# Altium PCB PCB_LU_V2.4PcbDoc.PcbDoc (part 3 of 3)
Units mm, origin at the board's own origin, x right, y up, seen from the top; angles counter-clockwise.
Board outline 123.01 x 87.99 mm, 2 copper layers (Top Layer, Bottom Layer); 238 components, 147 nets, 677 pads, 1111 vias.
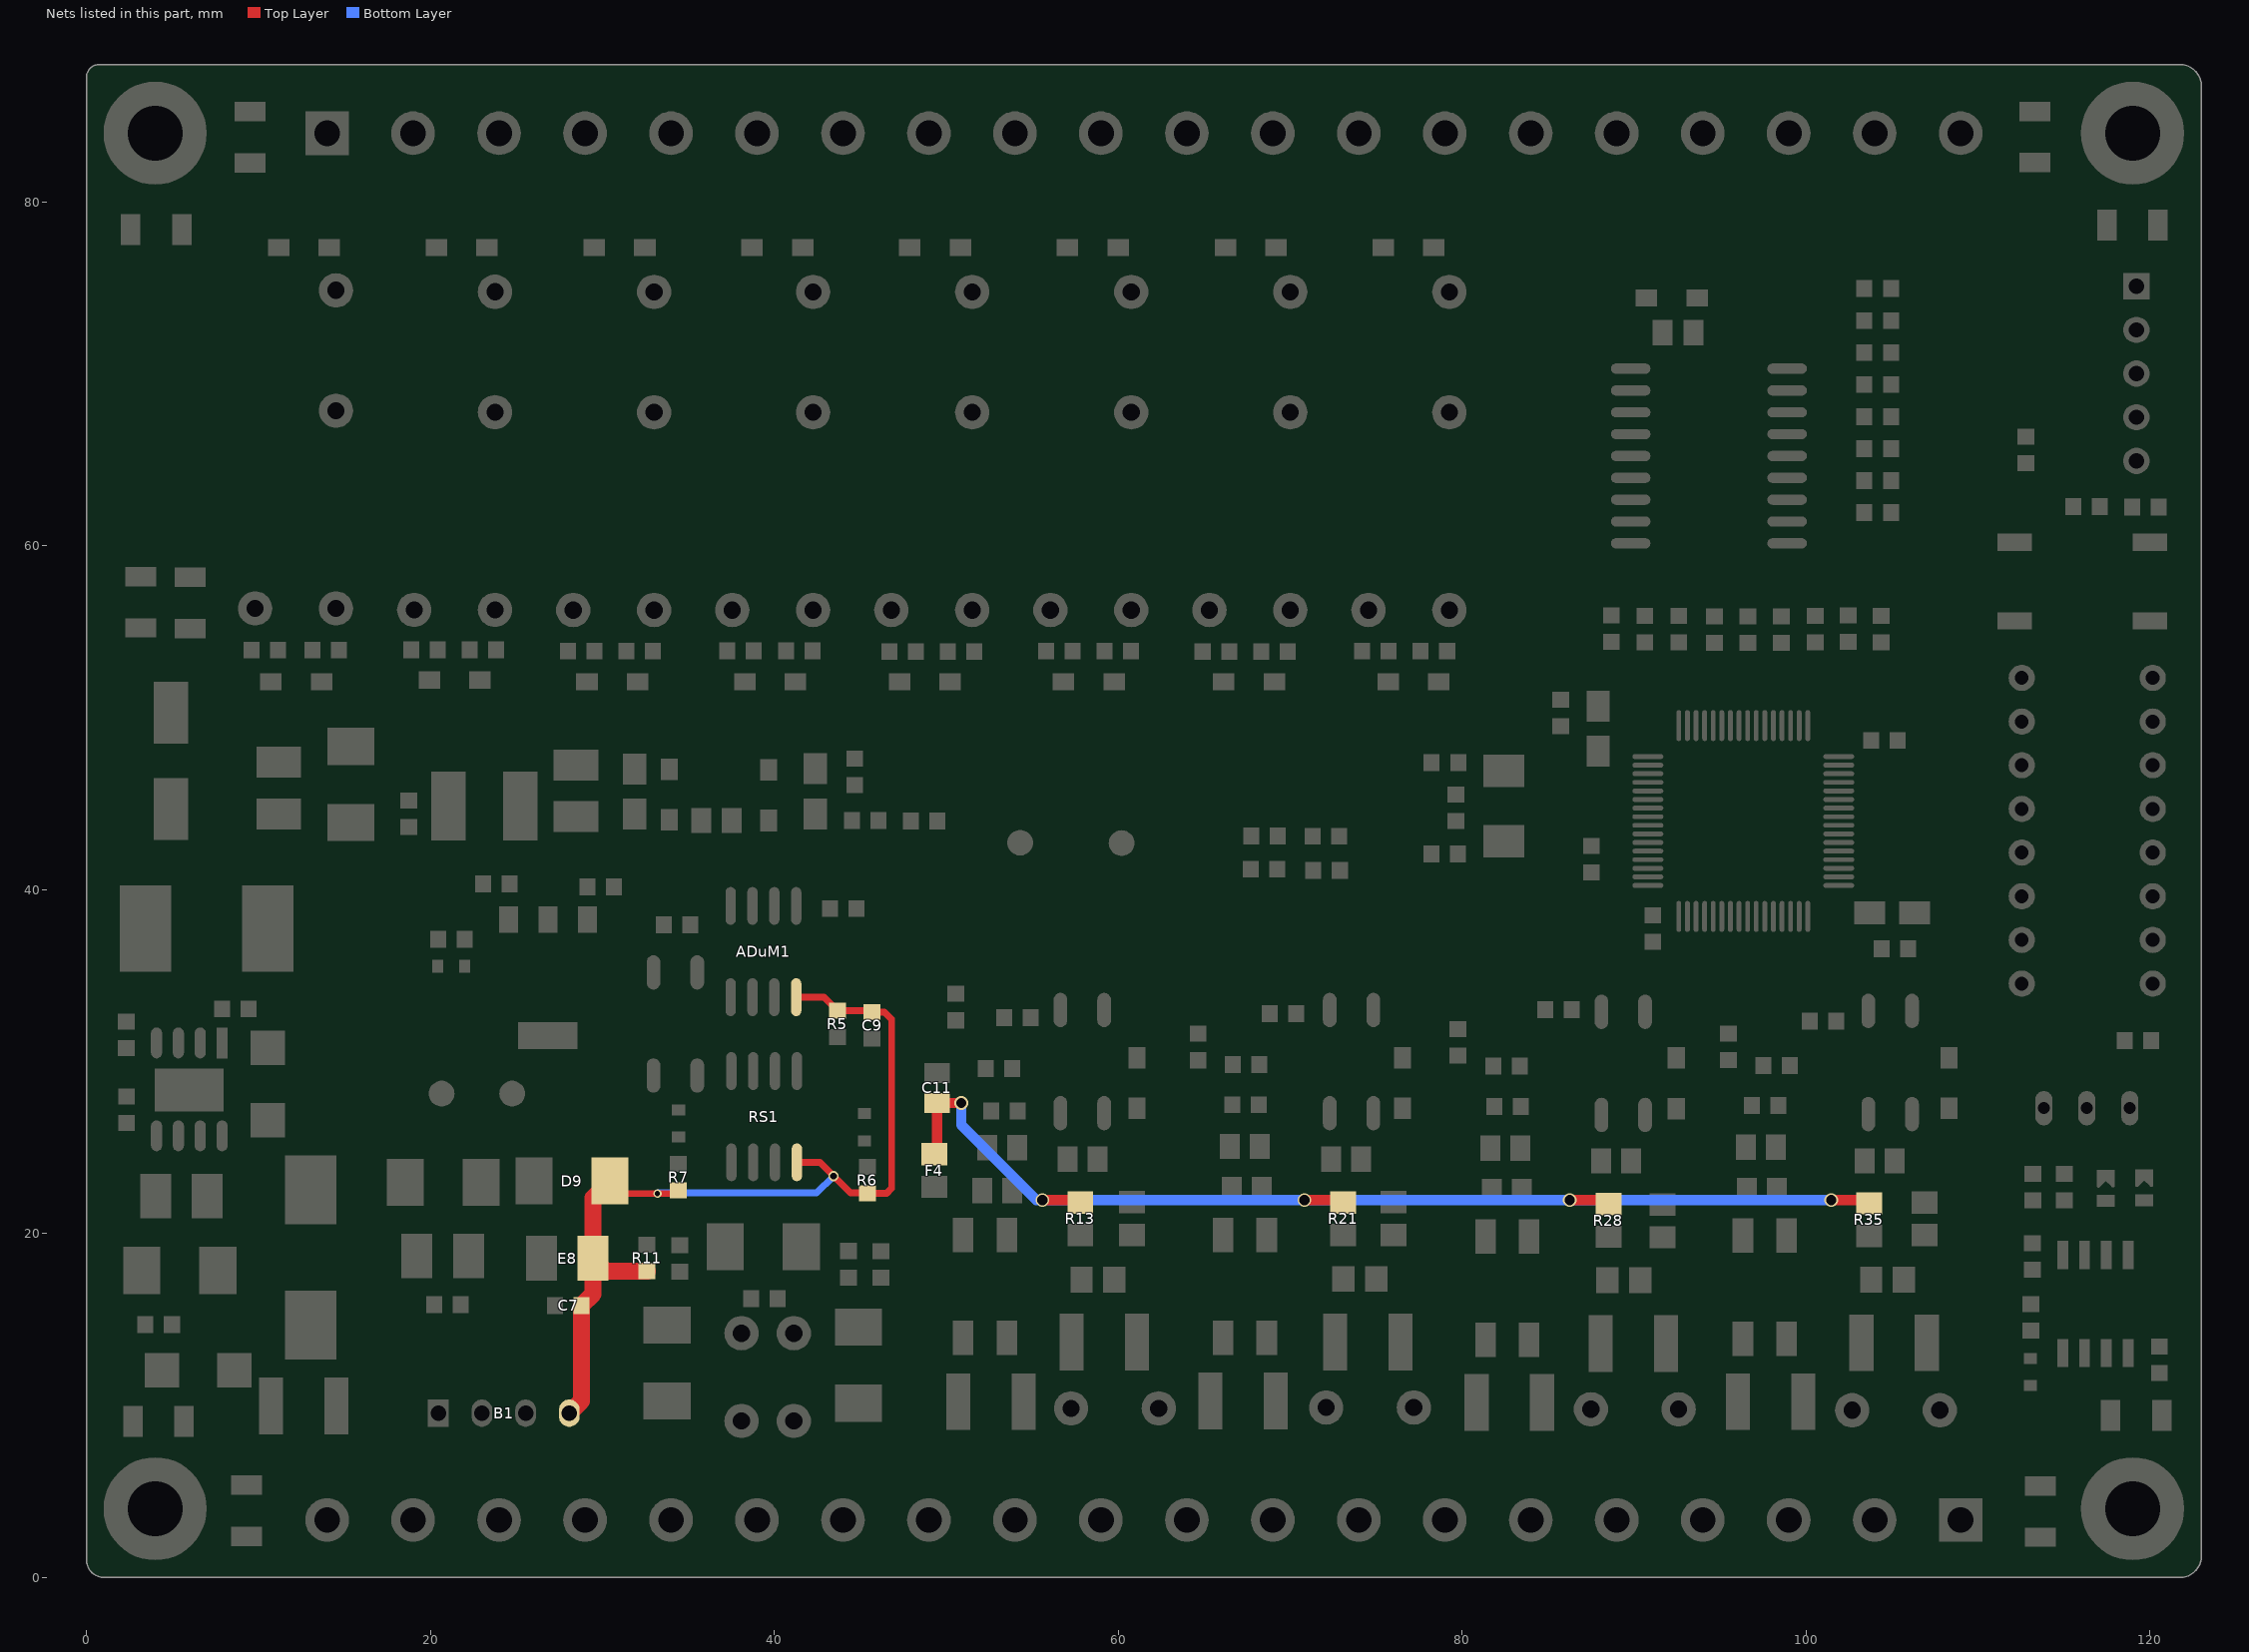
[diagram p3: the nets of this part, all layers, seen from the top]

## Via types
v1: diameter 0.6, hole 0.4, Top Layer to Bottom Layer, 594 vias
v2: diameter 0.5, hole 0.3, Top Layer to Bottom Layer, 446 vias
v3: diameter 0.8, hole 0.6, Top Layer to Bottom Layer, 68 vias
v4: diameter 1, hole 0.7, Top Layer to Bottom Layer, 3 vias

## Nets (pads, with @x,y where several pads share a name; then routed paths per layer and width w, separated by ;. In a path a pad name is that pad's centre, name@x,y a point inside that pad or via, vN(x,y) a via of type N, cw(c..) or ccw(c..) an arc to the next point about the centre after c; other vN are vias at no path point) (continued)
VCCISO: ADuM1.8 B1.4 C7.1 C9.2 D9.2 E8.1 R5.1 R6.2 R7.1 R11.2 RS1.8 | length 55.7
  Top Layer w0.4: D9.2@30.059,22.677 30.404,22.332 v2(33.21,22.332) 34.236,22.332 R7.1@34.432,22.528 ; ADuM1.8@41.279,33.752 42.896,33.752 R5.1@43.682,32.966 45.612,32.966 C9.2@45.696,32.882 46.422,32.882 46.83,32.474 46.83,22.638 46.542,22.35 R6.2@45.414,22.35 ; RS1.8@41.319,24.148 42.666,24.148 44.44,22.374 R6.2@45.67,22.374
  Top Layer w1: B1.4@28.082,9.56 28.786,10.264 C7.1@28.786,15.814 29.466,16.494 E8.1@29.466,18.566 ; D9.2@30.45,23.068 30.059,22.677 29.466,22.084 E8.1@29.466,18.566 ; R11.2@32.605,17.817 30.215,17.817 E8.1@29.466,18.566
  Bottom Layer w0.4: v2(33.21,22.332) 33.244,22.366 42.468,22.366 v1(43.446,23.344)
VIO: C11.2 F4.2 R13.2 R21.1 R28.1 R35.1 | length 66.4
  Top Layer w0.6: F4.2@49.39,24.738 49.346,24.782 49.468,24.904 C11.2@49.468,27.599 C11.2@49.468,27.599 v3(50.878,27.598) ; v3(55.592,21.954) 57.67,21.954 R13.2@57.808,21.816 ; v3(70.838,21.954) R21.1@72.958,21.954 ; v3(86.266,21.954) R28.1@88.287,21.954 ; v3(101.476,21.954) R35.1@103.483,21.954
  Bottom Layer w0.6: v3(50.878,27.598) 50.878,26.331 55.255,21.954 v3(55.592,21.954) v3(70.838,21.954) v3(86.266,21.954) v3(101.476,21.954)
pads on no net: P1.11 P1.12 P1.13 P1.14 P2.17 P2.18 P2.19 P2.20 U1.2 U1.3 U1.5 U4.2 U4.3 U4.4 U4.14 U4.26 U4.41 U4.50 U4.51 U4.52 U4.53 U4.54 U4.55 U4.56 U4.57 U5.5 U5.6 U5.7

## Polygon pours and split planes (outlines as drawn)
GNDIN on Bottom Layer "Top Layer-No Net 1" (solid, remove dead copper, pour order 10): 7.82,51.496 7.152,52.164 7.152,52.302 7.152,79.41 6.594,79.968 6.574,79.948 0.008,79.948 0.008,51.35 0.046,51.312 0.144,51.41 7.864,51.41
GNDIN on Bottom Layer "Top Layer-No Net 1" (solid, remove dead copper, pour order 4): -0.016,50.012 -0.016,51.752 0.682,52.45 0.806,52.326 5.982,52.326 7.05,52.326 9.374,50.002 79.716,50.002 82.685,52.971 83.282,54.206 84.002,55.696 85.496,57.19 87.086,58.946 93.04,58.946 93.04,74.1 93.04,78.318 96.756,78.318 96.914,78.476 96.978,78.54 97.01,78.54 96.978,78.54 97.01,78.54 97.01,87.658 114.718,87.658 114.968,87.408 114.968,80.912 114.968,80.692 115.654,80.006 122.464,80.006 122.528,80.006 123.026,79.508 123.182,79.352 123.182,30.944 123.182,30.85 123.182,29.244 122.242,28.8 105.98,28.8 48.25,28.8 48.184,32.708 48.184,32.952 48.184,36.074 48.184,36.21 47.816,36.578 46.032,36.578 37.592,36.578 36.182,35.168 36.138,35.124 36.138,33.68 31.572,33.68 30.976,33.084 30.976,28.282 30.976,26.338 30.232,25.594 30.206,25.568 24.844,25.568 24.746,25.568 24.358,25.18 24.334,25.156 24.334,23.164 24.334,6.896 25.15,6.08 26.444,6.08 30.368,6.08 31.406,6.08 31.406,3.716 31.54,3.582 31.54,-0.044 8.414,-0.044 7.914,0.456 7.914,6.246 7.914,6.678 7.082,7.51 6.782,7.81 0.494,7.81 0.294,7.81 -0.072,8.176 -0.006,8.242 -0.006,50.002
GNDISO on Bottom Layer "Top Layer-No Net 1" (solid, remove dead copper, pour order 14): 32.06,5.67 32.06,0.572 32.69,-0.058 32.724,-0.058 40.702,-0.058 40.86,0.1 41.814,1.054 41.814,1.478 41.814,7.8 42.502,8.488 42.52,8.506 46.822,8.506 46.878,8.506 47.828,9.456 47.828,35.506 47.828,36.124 47.208,36.124 37.834,36.124 37.022,35.312 36.924,35.214 36.924,33.182 36.924,33.006 36.75,32.832 36.654,32.736 33.36,32.736 33.322,32.736 31.85,32.736 31.85,31.768 31.85,25.798 31.85,25.342 31.85,24.718 25.342,24.718 25.342,24.698 24.82,24.176 24.898,24.098 24.898,21.542 24.898,21.328 25.11,21.116 25.072,21.078 25.072,7.21 25.168,7.21 25.71,6.668 32.06,6.668
GNDIN on Top Layer "Top Layer-No Net 1" (solid, remove dead copper, pour order 30): 0.248,7.742 0.248,7.802 0.248,7.878 0.248,8.27 0.462,8.696 0.462,79.374 0.462,79.612 0.722,79.872 0.746,79.896 7.152,79.896 7.152,52.312 7.608,51.856 9.436,50.028 26.388,50.028 79.644,50.028 82.656,53.04 83.52,53.904 83.52,54.876 83.52,55.334 87.096,58.91 87.15,58.964 93.052,58.964 93.052,74.048 93.026,74.074 93.026,78 96.952,78 96.952,87.886 114.662,87.886 114.96,87.588 114.906,87.534 114.906,80.952 114.906,80.762 115.772,79.896 115.8,79.924 122.488,79.924 122.488,79.868 123.11,79.246 123.164,79.192 123.164,29.286 123.164,29.208 122.47,28.514 122.364,28.62 113.258,28.62 48.948,28.62 48.174,29.394 48.21,29.43 48.21,36.284 48.106,36.284 47.79,36.6 47.754,36.564 37.622,36.564 37.552,36.564 36.15,35.162 36.062,35.074 36.062,33.742 35.736,33.408 35.716,33.388 34.384,33.388 31.294,33.388 30.99,33.084 30.984,26.318 30.23,25.552 29.652,25.552 24.728,25.552 24.4,25.224 24.4,25 24.4,6.852 24.4,6.834 25.228,6.072 25.31,6.072 31.414,6.072 31.414,0.08 31.434,0.06 31.304,-0.07 8.46,-0.07 8.44,-0.07 7.92,0.45 7.92,6.61 7.92,6.704 6.77,7.854 6.658,7.742 0.46,7.742 0.308,7.742
GNDISO on Top Layer "Top Layer-No Net 1" (solid, remove dead copper, pour order 18): 38.448,0.026 40.676,0.026 41.698,1.048 41.798,1.148 41.798,5.572 41.798,7.868 42.234,8.304 42.468,8.538 45.972,8.538 46.91,8.538 47.698,9.326 47.866,9.494 47.866,11.822 47.866,35.4 47.698,35.94 46.944,36.054 37.86,36.054 37.726,36.054 37.056,35.384 36.972,35.3 36.972,33.138 36.972,33.088 36.62,32.736 36.602,32.718 33.184,32.736 33.168,32.736 31.894,32.736 31.912,31.568 31.912,28.078 31.894,25.226 31.912,24.726 31.894,24.708 29.566,24.708 25.174,24.708 24.69,24.224 24.74,24.174 24.74,22.396 24.74,21.492 25.092,21.14 25.092,17.37 25.092,10.196 24.908,10.012 24.808,9.912 24.808,9.04 24.808,8.806 24.908,8.706 25.024,8.59 25.024,7.382 25.024,7.366 25.712,6.678 25.762,6.628 32.058,6.63 32.058,0.534 32.696,-0.104 32.822,0.022 38.484,0.022

## Keep-outs
Keep-Out Layer:
  lines w0.3: 0,1.038 ccw(c1.038,1.038) 1.038,0 120.772,0 121.74,0 ccw(c121.74,1.27) 123.01,1.27 123.01,2.238 123.01,85.798 123.01,86.724 ccw(c121.74,86.724) 121.74,87.994 120.814,87.994 0.744,87.994 0.742,87.994 ccw(c0.742,87.252) 0,87.252 0,1.052

## Other copper
Top Layer:
  rectangle net GNDIN: 85.348,47.102 88.644,48.962
  rectangle net GNDIN: 85.272,47.094 86.328,49.954
  rectangle net GNDIN: 1.654,13.86 3.934,15.342
  rectangle net GNDIN: 9.78,20.54 14.93,24.542
  rectangle net GNDIN: 6.572,40.874 16.474,41.95
  rectangle net GNDIN: 21.094,39.9 23.528,41.952
  rectangle net GNDIN: 28.52,36.856 29.668,39.056
  rectangle net NetC1_1: 7.914,25.378 11.516,26.424
  rectangle net NetC1_1: 9.48,25.346 13.898,27.61
  rectangle net NetC1_1: 12.482,25.392 13.916,40.084
  rectangle net NetC1_1: 8.968,32.63 13.326,33.574
  rectangle net NetC1_1: 9.064,35.266 13.952,40.266
  rectangle net GNDIN: 11.584,20.528 16.314,24.566
  rectangle net GNDIN: 15.032,20.502 16.66,41.876
  rectangle net VCCIN5V: 1.804,35.33 5,46.486
  rectangle net GNDIN: 112.386,80.252 114.252,82.832
  rectangle net GNDIN: 5.182,8.112 8.4,9.974
  rectangle net GNDIN: 2.296,16.534 5.236,19.154
Bottom Layer:
  rectangle net GNDIN: 3.996,27.126 16.59,29.568
  rectangle net GNDIN: 15.028,25.362 16.664,41.558

## Silkscreen, mask and mechanical layers (free items; w line width, h text height)
Top Overlay:
  lines w0.254: 4.47,3.988 5.47,3.988 ; 4.47,83.988 5.47,83.988 ; 4.97,3.488 4.97,4.488 ; 4.97,83.488 4.97,84.488 ; 119.47,3.988 120.47,3.988 ; 119.47,83.988 120.47,83.988 ; 119.97,3.488 119.97,4.488 ; 119.97,83.488 119.97,84.488
  text "GND" at 93.414,80.582 h0.7
  text "LH_Traffic_light_CU" at 62.75,38.04 h1.5
  text "V2.4.1_2017.11.23_1130" at 61.564,35.6 h1.5
  text "GND" at 109.378,7.864 h0.7
  text "A" at 33.53,7.74 h0.7
  text "5V+" at 23.134,7.68 h0.7
  text "5V-" at 28.284,7.664 h0.7
  text "V12-" at 18.532,7.65 h0.7
  text "B" at 39.212,7.628 h0.7
  text "V12+" at 13.632,7.588 h0.7
  text "LIGHT" at 104.208,7.47 h0.7
Top Solder:
  lines w0.3: 117.242,22.977 117.661,22.977 ; 119.474,23.014 119.893,23.014
Bottom Solder:
  lines w1: 14.514,67.862 14.592,67.862 19,72.27 19,84 ; 14.514,74.862 14.514,83.762 14.814,84.062 ; 23.764,67.776 23.798,67.776 29,72.978 29,84 ; 23.764,74.776 23.838,74.776 24,74.938 24,84 ; 33.014,67.768 33.148,67.768 38.984,73.604 38.984,82.884 38.81,83.058 38.81,84.056 ; 33.014,74.768 33.09,74.768 34,75.678 34,84 ; 42.264,67.768 42.312,67.768 47.84,73.296 47.84,82.088 49.814,84.062 ; 42.264,74.768 44.02,76.524 44.02,83.594 44.184,83.758 44.276,83.85 44.568,83.85 ; 51.514,67.768 51.514,67.838 51.674,67.838 56.766,72.93 56.766,81.086 58.786,83.106 58.786,83.978 ; 51.514,74.768 51.514,81.318 54.024,83.828 54.074,83.828 54.374,84.128 54.732,84.128 ; 60.764,67.768 60.802,67.768 66.41,73.376 66.41,80.81 68.63,83.03 68.63,83.552 69.18,84.102 ; 60.764,74.768 60.936,74.768 62.706,76.538 62.706,81.954 64,83.248 64,84 ; 70.014,67.768 70.03,67.768 74.968,72.706 74.968,79.316 79.694,84.042 ; 70.014,74.768 70.014,79.926 74.15,84.062 74.814,84.062 ; 79.264,74.768 83.886,79.39 83.886,83.134 84.814,84.062 ; 79.354,67.768 79.264,67.768 79.334,67.768 88.996,77.43 88.996,83.244 89.814,84.062

## Text inside footprints (layer, text, board x,y; h text height)
SWD1: Top Overlay "RST" at 114.906,64.28 h2; Top Overlay "VCC" at 114.855,66.87 h2; Top Overlay "GND" at 114.906,69.563 h2; Top Overlay "CLK" at 114.855,74.465 h2; Top Overlay "DIO" at 114.906,72.052 h2